# Allegro board AM335x_ICE_3H0013_PCB_REV_2_1A.brd (continued)
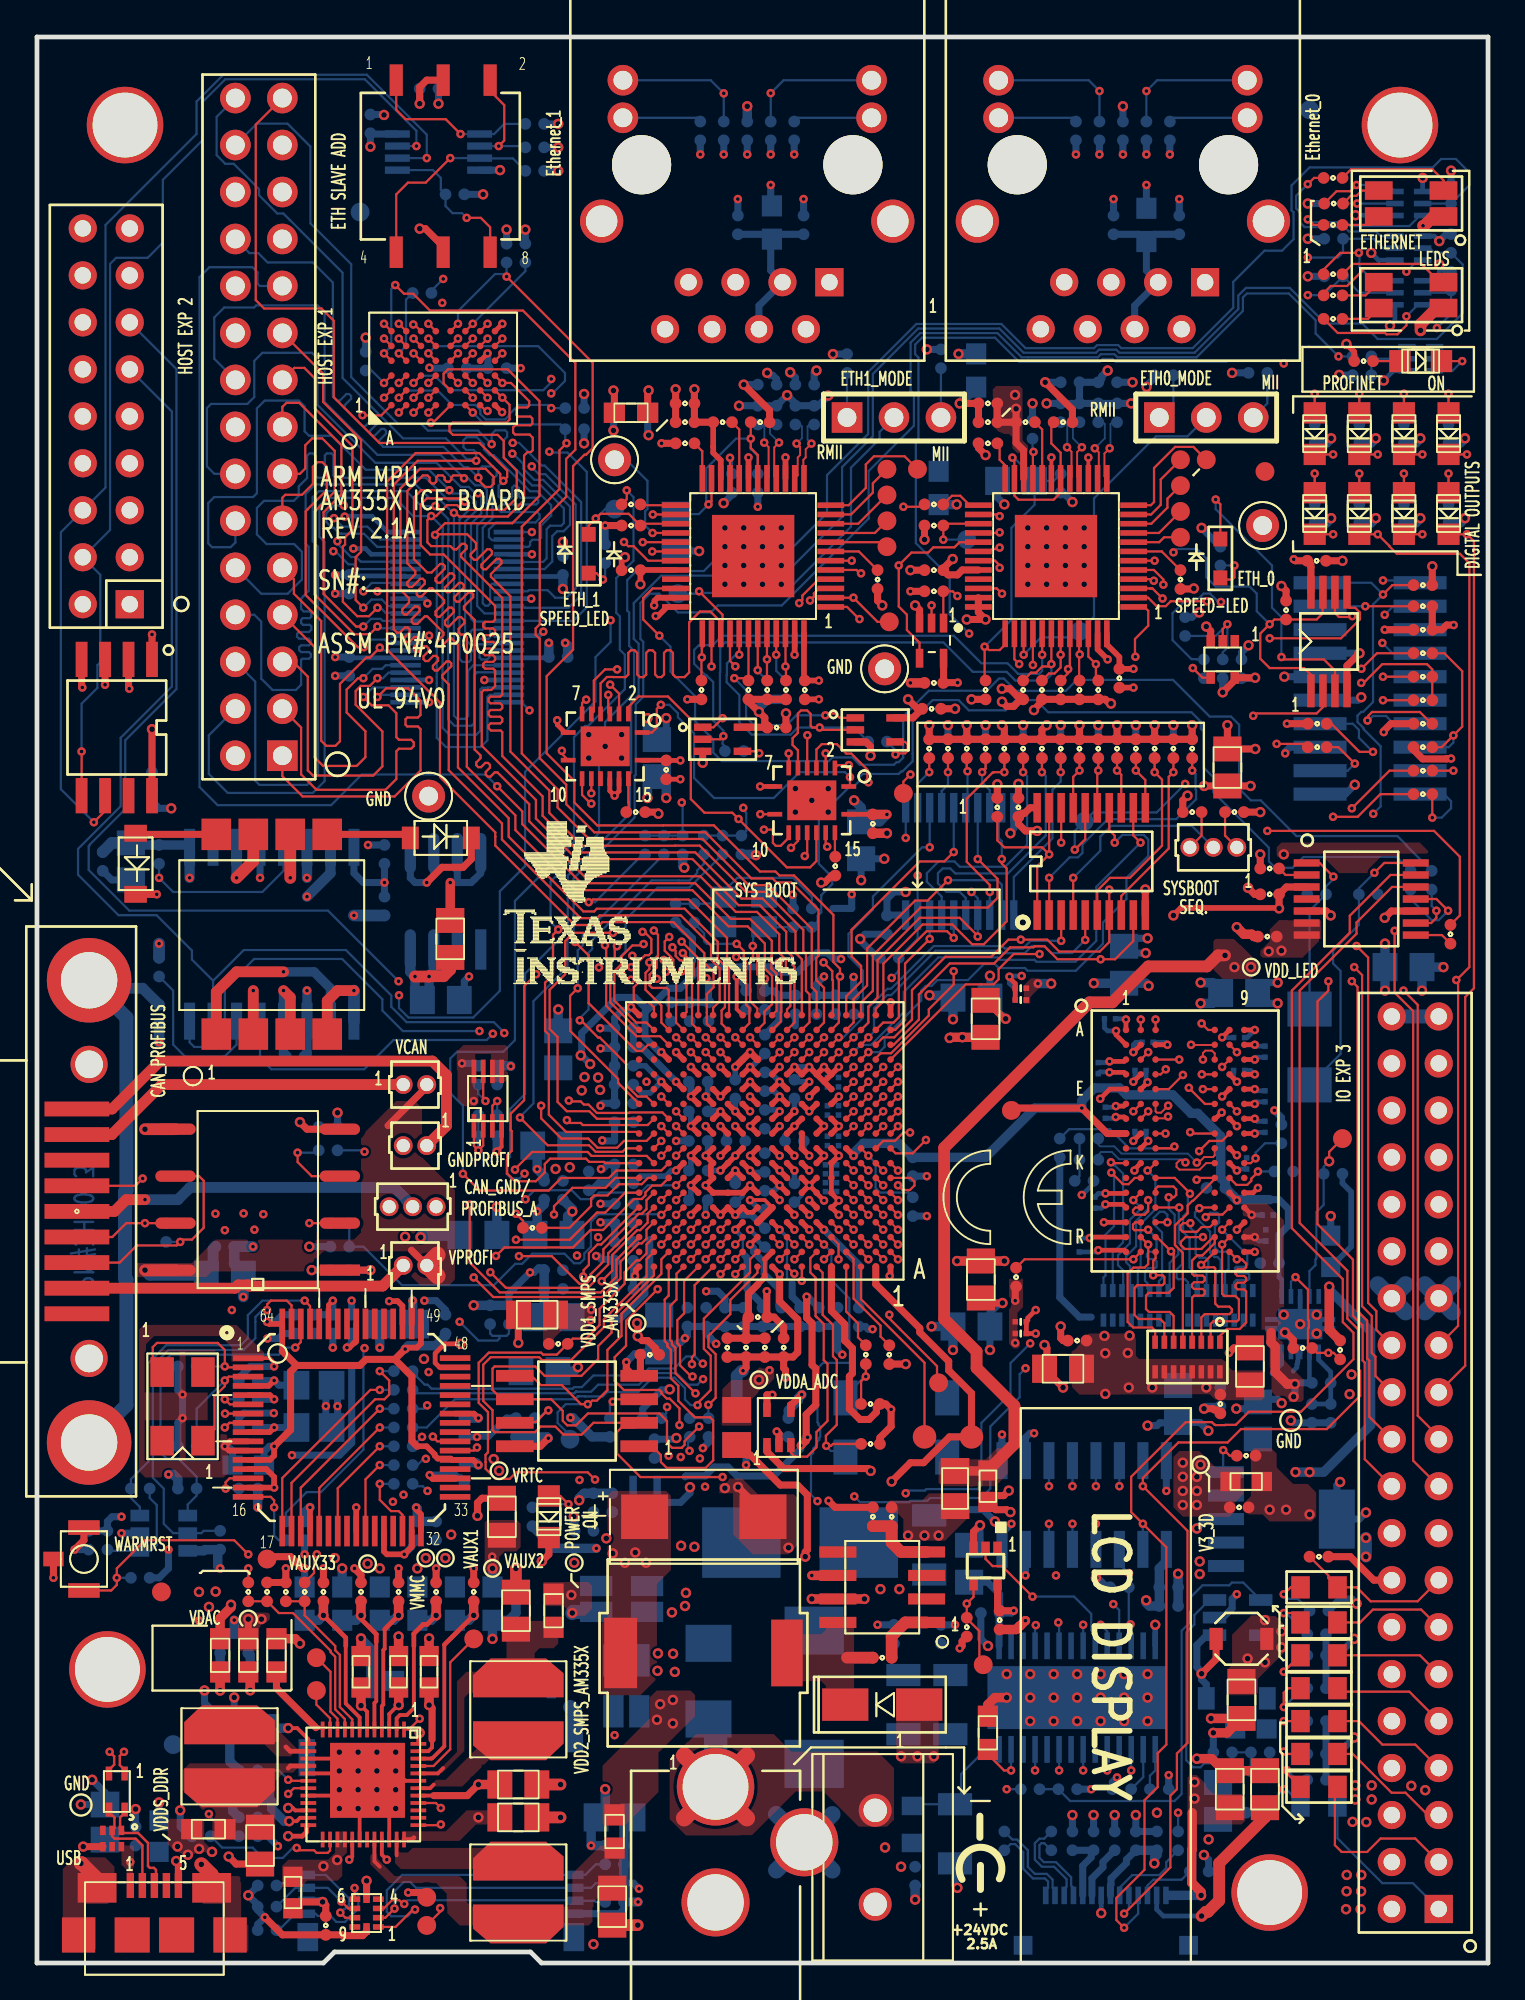
[diagram p0: board, top side]
## Routing (per net, layer and track width the routed paths; a pad name or vN(x,y) marks a point on that pad's centre or on a via; arc(x,y) is an arc through that point) (continued)
CAP_VBB_MPU: length 4.7
  TOP w0.254: v1(38.57,38.85) 38.58,38.86 U14.C10
  BOTTOM w0.381: C199.1 40.13,35.56 40.13,36.46 39.33,37.25 39.33,37.88 38.76,38.46 38.76,38.66 v1(38.57,38.85)
CAP_VDD_SRAM_CORE: length 5.2
  TOP w0.254: v1(40.17,39.65) U14.D9
  BOTTOM w0.127: 40.57,39.25 40.57,37.03 40.85,36.75
  BOTTOM w0.203: v1(40.17,39.65) 40.57,39.25
  BOTTOM w0.381: C198.1 41.27,35.6 40.85,36.03 40.85,36.75
CAP_VDD_SRAM_MPU: length 5.4
  TOP w0.254: v1(37.77,39.65) U14.D11
  BOTTOM w0.127: 38.18,39.14 38.18,38.36 38.28,38.26
  BOTTOM w0.254: 38.18,39.14 38.18,39.24 v1(37.77,39.65)
  BOTTOM w0.381: 38.28,38.26 38.4,38.13 38.4,36.45 39.24,35.61 C200.1
DDR_A0: length 32.1
  TOP w0.121: U14.F3 v1(44.97,41.25) ; U15.N3 v1(61.78,40.85)
  LYR3 w0.127: v1(44.97,41.25) 44.97,41.49 45.38,41.9 45.38,42.21 45.61,42.44 45.92,42.44 46.16,42.69 46.16,43.01 46.4,43.25 46.73,43.25 47.02,42.96 48.46,42.96 48.73,42.7 54.1,42.7 54.24,42.56 54.24,42.23 54.41,42.06 54.58,42.06 54.7,42.17 54.7,42.78 54.81,42.89 55.04,42.89 55.15,42.78 55.15,42.17 55.26,42.06 55.45,42.06 55.56,42.17 55.56,42.78 55.67,42.89 55.88,42.89 55.99,42.78 55.99,42.17 56.1,42.06 56.29,42.06 56.44,42.21 56.44,42.78 56.57,42.91 56.82,42.91 56.94,42.78 56.94,42.34 57.21,42.07 60.23,42.07 60.43,41.86 60.43,41.47 60.55,41.36 60.7,41.36 60.82,41.47 60.82,41.88 60.92,41.99 61.67,41.99 61.78,41.87 v1(61.78,40.85)
  BOTTOM w0.121: v1(61.78,40.85) 61.76,40.82 61.76,38.93 61.92,38.77 61.95,38.73 61.95,37.8 61.64,37.49 61.64,37.05 61.72,36.97 62.09,36.97 62.26,36.81 RP2.1
DDR_A1: length 32.1
  TOP w0.121: U14.H1 v1(46.57,42.85) ; v1(62.38,40.01) 61.99,40.01 61.85,39.87 61.85,39.65 61.97,39.54 62.74,39.54 63,39.79 63.45,39.79 U15.P7
  LYR3 w0.127: v1(46.57,42.85) 47.13,42.29 47.83,42.29 47.97,42.15 48.3,42.15 48.44,42.29 49.93,42.29 50.05,42.18 50.05,41.79 50.16,41.68 50.31,41.68 50.43,41.79 50.43,42.18 50.54,42.29 50.7,42.29 50.81,42.18 50.81,41.79 50.92,41.68 51.08,41.68 51.19,41.79 51.19,42.18 51.3,42.29 51.46,42.29 51.57,42.18 51.57,41.79 51.68,41.68 51.84,41.68 51.95,41.79 51.95,42.18 52.06,42.29 52.22,42.29 52.33,42.18 52.33,41.79 52.44,41.68 52.6,41.68 52.71,41.79 52.71,42.18 52.82,42.29 52.98,42.29 53.09,42.18 53.09,41.79 53.2,41.68 53.36,41.68 53.47,41.79 53.47,42.18 53.59,42.29 53.74,42.29 53.86,42.18 53.86,41.79 53.97,41.68 55.77,41.68 56.41,41.04 57.22,41.04 57.71,40.55 58.65,40.55 58.95,40.86 59.47,40.86 60.54,40.86 60.71,40.69 60.71,39.93 61.11,39.52 62.71,39.52 62.88,39.69 62.88,39.86 62.73,40.01 v1(62.38,40.01)
  BOTTOM w0.121: v1(62.38,40.01) 62.38,39.75 62.67,39.46 62.67,38.34 62.88,38.14 63.18,38.14 63.36,37.96 63.36,37.58 63.26,37.48 RP2.3
DDR_A2: length 32.5
  TOP w0.121: U15.P3 v1(61.14,40.05) ; U14.E4 v1(44.17,40.45)
  LYR3 w0.127: v1(44.17,40.45) 44.47,40.45 44.58,40.56 44.58,42.21 44.81,42.44 45.12,42.44 45.36,42.69 45.36,43 45.62,43.26 46.08,43.26 46.31,43.48 46.82,43.48 46.99,43.31 57.2,43.31 57.53,42.98 57.53,42.66 57.85,42.34 62.17,42.34 62.52,41.99 62.53,41.99 62.74,41.78 63.16,41.78 63.38,41.56 63.38,41.38 63.2,41.2 62.32,41.2 62.18,41.06 62.18,40.69 61.95,40.46 61.55,40.46 v1(61.14,40.05)
  BOTTOM w0.121: v1(61.14,40.05) 61.14,40.45 60.97,40.62 60.73,40.62 60.4,40.29 60.4,39.96 60.86,39.5 60.86,37.04 60.69,36.87 RP3.7
DDR_A3: length 30.5
  TOP w0.121: v1(44.97,38.85) U14.C3 ; U15.N2 59.42,40.85 59.28,40.72 59.28,40.58 59.4,40.46 59.92,40.46 60.1,40.65 v1(60.1,41.25)
  LYR4 w0.127: v1(60.1,41.25) 60.1,41.03 59.95,40.87 59.48,40.87 59.11,40.5 58.78,40.5 58.67,40.61 58.67,41.47 58.56,41.58 58.4,41.58 58.29,41.47 58.29,40.61 58.18,40.5 57.36,40.5 57.27,40.59 57.27,41.18 57.16,41.29 57.03,41.29 56.92,41.18 56.92,40.67 56.8,40.55 55.19,40.55 55.08,40.66 55.08,41.16 54.97,41.27 54.81,41.27 54.7,41.16 54.7,40.66 54.59,40.55 54.43,40.55 54.32,40.66 54.32,41.16 54.21,41.27 54.05,41.27 53.94,41.16 53.94,40.66 53.83,40.55 51.67,40.55 51,39.88 47.02,39.88 46.85,40.04 45.61,40.04 45.38,39.81 45.38,39.49 45.38,39.48 45.38,39.26 v1(44.97,38.85)
  BOTTOM w0.121: RP3.4 59.13,36.42 59.13,37.68 58.91,37.89 58.91,38.21 59.45,38.75 59.45,40.13 60.1,40.78 v1(60.1,41.25)
DDR_A4: length 33.7
  TOP w0.121: U14.C2 v1(45.77,38.85) ; U15.P8 v1(64.1,39.65)
  LYR3 w0.127: v1(64.1,39.65) 63.71,39.26 63.71,39.02 63.14,38.45 62.92,38.45 62.45,37.98 62.45,37.03 61.69,36.27 55.99,36.27 55.24,37.02 54.71,37.02 54.6,36.91 54.6,36.78 54.48,36.67 54.33,36.67 54.21,36.78 54.21,37.26 54.1,37.38 53.94,37.38 53.83,37.26 53.83,36.78 53.72,36.67 53.56,36.67 53.45,36.78 53.45,37.26 53.34,37.38 53.18,37.38 53.07,37.26 53.07,36.78 52.96,36.67 52.8,36.67 52.69,36.78 52.69,36.91 52.58,37.02 52.06,37.02 51.94,36.91 51.94,36.73 51.83,36.62 51.68,36.62 51.56,36.73 51.56,36.91 51.45,37.02 51.29,37.02 51.18,36.91 51.18,36.73 51.07,36.62 50.91,36.62 50.8,36.73 50.8,36.91 50.69,37.02 50.53,37.02 50.42,36.91 50.42,36.73 50.31,36.62 50.15,36.62 50.04,36.73 50.04,36.91 49.93,37.02 49.77,37.02 49.66,36.91 49.66,36.73 49.55,36.62 49.39,36.62 49.28,36.73 49.28,36.91 49.17,37.02 47.79,37.02 47.05,37.76 47.05,38.23 46.84,38.44 46.26,38.44 46.03,38.67 45.95,38.67 v1(45.77,38.85)
  BOTTOM w0.121: RP2.6 64.75,36.37 64.75,36.8 64.88,36.93 65.5,36.93 65.57,37 65.57,37.23 65.51,37.29 64.85,37.29 64.8,37.34 64.8,37.58 64.86,37.64 65.34,37.64 65.46,37.76 65.46,38.29 v1(64.1,39.65)
DDR_A5: length 30.6
  TOP w0.121: U14.B1 v1(46.57,38.05) ; v1(60.1,39.65) 60.08,39.62 59.36,39.62 59.28,39.7 59.28,39.93 59.4,40.05 U15.P2
  LYR4 w0.127: v1(46.57,38.05) 47.14,38.05 47.26,37.94 47.26,37.4 47.37,37.29 47.53,37.29 47.64,37.4 47.64,37.94 47.75,38.05 47.91,38.05 48.02,37.94 48.02,37.4 48.13,37.29 48.29,37.29 48.4,37.4 48.4,37.94 48.51,38.05 48.97,38.05 49.15,37.87 49.15,37.52 49.28,37.39 49.86,37.39 50.39,37.92 50.58,37.92 51.62,37.92 52.13,38.43 52.52,38.43 52.77,38.18 53.02,38.18 53.14,38.06 53.14,37.81 53.18,37.76 53.47,37.76 53.52,37.81 53.52,38.06 53.63,38.18 53.79,38.18 53.9,38.06 53.9,37.81 54.01,37.69 54.17,37.69 54.28,37.81 54.28,38.06 54.39,38.18 54.55,38.18 54.66,38.06 54.66,37.81 54.77,37.69 54.93,37.69 55.04,37.81 55.04,38.06 55.15,38.18 55.31,38.18 55.42,38.06 55.42,37.81 55.53,37.69 55.69,37.69 55.8,37.81 55.8,38.06 55.91,38.18 56.07,38.18 56.18,38.06 56.18,37.81 56.29,37.69 56.45,37.69 56.56,37.81 56.56,38.06 56.65,38.15 56.9,38.15 57.01,38.04 57.01,37.81 57.12,37.69 57.28,37.69 57.39,37.81 57.39,38.04 57.51,38.15 58.52,38.15 59.21,38.84 59.56,38.84 59.94,38.46 60.4,38.46 60.68,38.73 60.68,39.45 60.48,39.65 v1(60.1,39.65)
  BOTTOM w0.121: v1(60.1,39.65) 60.56,39.2 60.56,38.6 60.42,38.46 60.16,38.46 60.03,38.33 60.03,38.18 60.15,38.06 60.42,38.06 60.56,37.93 60.56,37.64 60.49,37.58 60.12,37.58 59.93,37.39 59.93,36.89 60.06,36.76 60.06,36.49 RP3.6
DDR_A6: length 34.3
  TOP w0.121: RP1.2 63.48,34.55 63.63,34.7 64.91,34.7 65.01,34.8 65.01,35.88 64.82,36.07 64.23,36.07 64.1,36.19 v1(64.1,38.85) U15.R8 ; v1(43.37,39.65) U14.D5
  LYR3 w0.127: v1(64.1,38.85) 64.1,37.15 62.46,35.51 54.92,35.51 54.69,35.74 53.43,35.74 52.91,35.22 46.96,35.22 43.37,38.8 v1(43.37,39.65)
DDR_A7: length 34.4
  TOP w0.121: U14.E2 v1(45.77,40.45) ; RP1.8 60.48,34.2 60.31,34.36 59.29,34.36 58.99,34.66 58.99,37.29 59.3,37.6 59.91,37.6 60.1,37.79 v1(60.1,38.85) U15.R2
  LYR3 w0.127: v1(45.77,40.45) 45.77,40.21 46.16,39.81 46.16,39.5 46.41,39.26 47.17,39.26 47.51,38.92 47.71,38.92 47.82,39.03 47.82,39.51 47.93,39.62 48.09,39.62 48.2,39.51 48.2,39.03 48.28,38.96 53.45,38.96 53.56,38.84 53.56,38.41 53.67,38.3 53.83,38.3 53.94,38.41 53.94,38.84 54.05,38.96 55,38.96 56.9,37.05 58.02,37.05 58.13,37.16 58.13,37.51 58.24,37.62 58.4,37.62 58.51,37.51 58.51,37.16 58.62,37.05 58.78,37.05 58.89,37.16 58.89,37.51 59,37.62 59.16,37.62 59.27,37.51 59.27,37.16 59.38,37.05 59.72,37.05 59.81,37.14 59.81,38.33 59.92,38.44 60.08,38.44 60.2,38.32 60.2,37.71 60.3,37.6 60.55,37.6 61,37.15 61.01,37.16 61.31,37.16 61.46,37.31 61.46,37.5 61.47,37.5 61.47,37.8 60.95,38.32 60.95,38.47 60.57,38.85 v1(60.1,38.85)
DDR_A8: length 33.2
  TOP w0.121: RP1.1 63.98,33.9 64.36,34.28 65.06,34.28 65.4,34.63 65.4,36.32 65.3,36.42 64.94,36.42 64.83,36.53 64.83,36.68 64.94,36.79 65.3,36.79 65.4,36.89 65.4,37.04 65.3,37.15 64.94,37.15 64.83,37.25 64.83,37.4 64.94,37.51 65.3,37.51 65.4,37.62 65.4,37.81 65.17,38.05 v1(64.9,38.05) U15.T8 ; v1(44.17,39.65) U14.D4
  LYR4 w0.127: v1(64.9,38.05) 64.2,37.35 60.77,37.35 60.54,37.58 60.09,37.58 59.07,36.55 53.31,36.55 53.24,36.61 51.95,36.61 51.55,36.22 45.92,36.22 44.14,38 44.14,38.32 43.78,38.69 43.78,39.02 44.17,39.42 v1(44.17,39.65)
DDR_A9: length 34.4
  TOP w0.121: U14.C1 v1(46.57,38.85) ; U15.R3 60.57,39.25 v1(61.34,38.48) 61.48,38.34 61.48,36.5 61.21,36.23 60.13,36.23 59.99,36.09 59.99,35.36 60.15,35.2 61.27,35.2 61.48,34.99 RP1.6
  LYR3 w0.127: v1(61.34,38.48) 61.84,37.98 61.84,37.15 61.37,36.67 56.47,36.67 55.38,37.76 53.31,37.76 53.07,37.99 53.07,38.25 52.9,38.43 51.79,38.43 51.67,38.32 51.67,37.52 51.57,37.41 51.41,37.41 51.29,37.53 51.29,38.32 51.18,38.43 51.02,38.43 50.91,38.32 50.91,37.52 50.81,37.41 50.65,37.41 50.53,37.53 50.53,38.32 50.42,38.43 49.01,38.43 48.9,38.32 48.9,37.51 48.79,37.4 48.63,37.4 48.52,37.51 48.52,38.32 48.41,38.43 48.25,38.43 48.14,38.32 48.14,37.51 48.03,37.4 47.87,37.4 47.76,37.51 47.76,38.32 47.64,38.43 47.41,38.43 46.99,38.85 v1(46.57,38.85)
DDR_A10: length 37.8
  TOP w0.121: v1(62.72,42.35) 62.82,42.45 U15.L7 63.7,42.39 62.52,41.21 62.49,41.21 62.24,40.96 62.24,40.53 61.94,40.23 61.9,40.23 61.56,39.89 61.56,38.82 61.65,38.72 61.65,38.72 61.98,38.39 RP1.5 ; U14.F4 v1(44.17,41.25)
  LYR3 w0.127: v1(44.17,41.25) 44.17,41.49 43.78,41.89 43.78,42.21 44.01,42.44 44.32,42.44 44.58,42.7 44.58,43.99 44.72,44.14 45.11,44.14 45.54,43.71 58.23,43.71 58.7,43.24 60.59,43.24 60.98,42.86 64.24,42.86 64.41,42.69 64.41,42.25 64.28,42.12 62.95,42.12 v1(62.72,42.35)
DDR_A11: length 35.7
  TOP w0.121: v1(63.06,39.25) 62.13,39.25 61.87,39 61.87,38.81 62.08,38.61 62.98,38.61 63.62,39.25 U15.R7 63.7,38.93 63.03,38.26 62.75,38.26 62.48,37.98 62.48,37.28 62.59,37.17 63.06,37.17 63.16,37.06 63.16,36.91 63.06,36.81 62.59,36.81 62.48,36.7 62.48,36.55 62.59,36.45 63.06,36.45 63.16,36.34 63.16,36.19 63.06,36.08 62.59,36.08 62.48,35.98 RP1.4 ; U14.F2 v1(45.77,41.25)
  LYR3 w0.127: v1(63.06,39.25) 61.06,39.25 60.4,39.91 60.4,40.36 60.29,40.47 59.6,40.47 59.49,40.36 59.49,39.68 59.38,39.57 57.49,39.57 57.15,39.91 57.15,40.24 56.78,40.6 55.97,40.6 55.27,41.3 49.61,41.3 49.5,41.41 49.5,41.75 49.39,41.86 49.23,41.86 49.12,41.75 49.12,41.35 49.01,41.24 48.85,41.24 48.74,41.35 48.74,41.75 48.62,41.86 48.47,41.86 48.35,41.75 48.35,41.35 48.24,41.24 48.09,41.24 47.97,41.35 47.97,41.75 47.86,41.86 47.7,41.86 47.59,41.75 47.59,41.41 47.48,41.3 47.3,41.3 46.95,41.66 46.15,41.66 45.77,41.27 v1(45.77,41.25)
DDR_A12: length 31.1
  TOP w0.121: U15.N7 62.91,40.85 v1(62.87,40.81) ; v1(44.97,40.45) U14.E3
  LYR4 w0.127: v1(44.97,40.45) 44.97,39.41 44.58,39.01 44.58,37.89 45.84,36.63 51.42,36.63 51.79,37 53.4,37 53.47,36.93 58.82,36.93 59.7,37.81 61.63,37.81 62.66,38.84 62.66,39.41 62.78,39.52 62.78,40.72 v1(62.87,40.81)
  BOTTOM w0.121: v1(62.87,40.81) 62.63,40.57 62.63,40.36 63.45,39.54 63.45,38.41 63.69,38.17 63.85,38.17 64.02,38.01 64.02,37.51 63.76,37.24 RP2.4
DDR_A13: length 32.7
  TOP w0.121: RP1.7 60.98,34.6 60.76,34.82 59.58,34.82 59.37,35.04 59.37,36.51 59.51,36.65 60.87,36.65 60.98,36.76 60.98,37.09 60.89,37.19 v1(60.38,37.19) 60.38,37.97 60.5,38.1 U15.T3 ; U14.H3 v1(44.97,42.85)
  LYR4 w0.127: v1(60.38,37.19) 59.36,36.17 53.15,36.17 53.09,36.23 52.1,36.23 51.68,35.81 45.97,35.81 43.75,38.03 43.75,38.21 43.55,38.42 43.55,39.27 43.76,39.49 43.76,41.4 44.01,41.64 44.32,41.64 44.57,41.89 44.57,42.45 v1(44.97,42.85)
DDR_A14: length 34.9
  TOP w0.121: U14.H4 v1(44.17,42.85) ; U15.T7 63,37.74 v1(62.97,37.74) 63.09,37.62 63.67,37.62 63.73,37.56 63.73,35.65 63.89,35.49 64.5,35.49 64.63,35.36 64.63,35.21 64.5,35.09 63.16,35.09 62.98,34.9 RP1.3
  LYR3 w0.127: v1(44.17,42.85) 44.09,42.85 43.55,42.31 43.55,41.72 43.78,41.49 43.78,40.29 44.01,40.06 44.71,40.06 45.36,39.41 45.36,37.9 45.72,37.54 46.37,37.54 47.52,36.39 49.12,36.39 49.46,36.05 51.64,36.05 51.83,36.24 55.09,36.24 55.45,35.89 62.02,35.89 62.97,36.83 v1(62.97,37.74)
DDR_BA0: length 30.6
  TOP w0.121: U15.M2 v1(59.3,41.25) ; U14.C4 v1(44.17,38.85)
  LYR4 w0.127: v1(59.3,41.25) 59.3,41.52 59.44,41.66 59.92,41.66 60.05,41.78 60.05,42.06 59.77,42.34 59.21,42.34 58.93,42.06 56.18,42.06 56.06,41.94 56.06,41.12 55.88,40.94 55.69,40.94 55.55,41.08 55.55,41.55 55.4,41.71 53.72,41.71 53.56,41.54 53.56,41.09 53.42,40.94 51.38,40.94 50.8,40.36 48.75,40.36 48.23,40.87 47.88,40.87 47.73,40.72 47.73,40.49 47.55,40.31 47.29,40.31 47.14,40.46 47.14,40.69 46.99,40.84 45.61,40.84 45.52,40.84 45.36,41 45.36,41.5 45.22,41.64 44.81,41.64 44.56,41.4 44.56,39.49 44.28,39.2 44.28,38.96 v1(44.17,38.85)
  BOTTOM w0.121: RP3.3 58.75,36.42 58.75,37.45 58.47,37.73 58.47,38.27 59.12,38.91 59.12,40.19 59.63,40.71 59.63,40.92 v1(59.3,41.25)
DDR_BA1: length 33.6
  TOP w0.121: U15.N8 64.12,40.47 63.36,40.47 v1(63.22,40.33) ; U14.E1 v1(46.57,40.45)
  LYR3 w0.127: v1(63.22,40.33) 63.74,40.86 64.1,40.86 64.29,41.06 64.29,41.47 64.61,41.78 65.11,41.78 65.31,41.58 65.31,40.34 65.11,40.14 63.9,40.14 63.46,39.69 63.46,39.09 63.23,38.86 62.9,38.86 62.88,38.87 61.02,38.87 60.65,39.24 58.8,39.24 57.71,38.15 57.24,38.15 55.08,40.31 55.08,40.35 54.65,40.78 46.9,40.78 v1(46.57,40.45)
  BOTTOM w0.121: RP2.5 64.26,37.33 64.45,37.52 64.45,38.35 64.34,38.46 63.94,38.46 63.71,38.69 63.71,39.81 63.94,40.04 63.94,40.46 63.83,40.57 63.45,40.57 v1(63.22,40.33)
DDR_BA2: length 30.6
  TOP w0.121: U15.M3 60.5,41.86 60.63,41.99 61.47,41.99 61.62,41.83 61.62,41.53 61.49,41.4 v1(61.21,41.4) ; v1(44.97,38.05) U14.B3
  LYR4 w0.127: v1(61.21,41.4) 61.21,40.77 61.67,40.31 61.67,39.07 61.48,38.88 61.2,38.88 61.04,39.04 61.04,39.6 60.59,40.04 59.94,40.04 59.71,39.81 59.71,39.6 59.51,39.4 58.93,39.4 58.75,39.22 58.75,38.83 58.42,38.51 58.04,38.51 57.94,38.61 57.94,38.81 57.81,38.94 57.24,38.94 56.9,38.6 55.36,38.6 55.07,38.89 54.81,38.89 54.48,38.56 53.11,38.56 52.73,38.93 51.92,38.93 51.44,38.46 45.38,38.46 v1(44.97,38.05)
  BOTTOM w0.121: v1(61.21,41.4) 61.21,40.78 61.53,40.46 61.53,38.84 61.73,38.64 61.73,38.32 61.27,37.85 61.27,36.44 RP3.8
DDR_CASN: length 32
  TOP w0.121: U15.K3 60.12,42.87 60.07,42.87 v1(60.07,42.85) ; U14.F1 v1(46.57,41.25)
  LYR4 w0.127: v1(46.57,41.25) 46.65,41.17 48.48,41.17 48.81,40.84 48.96,40.84 49.08,40.95 49.08,41.54 49.19,41.66 49.35,41.66 49.46,41.54 49.46,40.83 49.55,40.74 49.75,40.74 49.84,40.83 49.84,41.55 49.95,41.67 50.11,41.67 50.22,41.55 50.22,40.84 50.32,40.74 50.5,40.74 50.6,40.84 50.6,41.21 50.74,41.35 50.74,41.36 50.83,41.45 50.83,41.88 50.94,42 51.1,42 51.21,41.88 51.21,41.41 51.3,41.33 51.5,41.33 51.59,41.41 51.59,41.88 51.7,42 51.86,42 51.97,41.88 51.97,41.45 52.07,41.35 53.05,41.35 53.18,41.48 53.18,41.87 53.4,42.09 53.98,42.09 54.11,42.22 54.11,42.5 54.23,42.61 54.38,42.61 54.5,42.5 54.5,42.2 54.59,42.1 54.75,42.1 54.88,42.22 54.88,42.5 54.98,42.61 55.23,42.61 55.34,42.5 55.34,42.19 55.44,42.09 55.68,42.09 55.83,42.24 55.83,42.49 55.93,42.59 57.03,42.59 57.28,42.34 58.65,42.34 58.97,42.66 58.97,43.45 59.24,43.72 59.89,43.72 60.05,43.57 60.05,42.88 v1(60.07,42.85)
  BOTTOM w0.121: RP3.5 59.54,36.5 59.54,37.48 59.69,37.63 59.69,39.96 60.49,40.76 60.49,42.43 v1(60.07,42.85)
DDR_CKE: length 27.3
  TOP w0.121: U14.G3 v1(44.97,42.05) ; v1(65.91,43.51) 65.65,43.25 U15.K9
  LYR4 w0.127: v1(65.91,43.51) 65.3,44.13 65.3,44.61 65.07,44.84 63.1,44.84 62.61,44.35 62.4,44.35 61.77,43.72 61.2,43.72 60.86,44.06 59.14,44.06 58.45,44.74 57.6,44.74 57.4,44.54 53.89,44.54 53.09,43.74 50.07,43.74 49.57,43.24 45.61,43.24 45.37,43.01 45.37,42.45 v1(44.97,42.05)
  BOTTOM w0.121: v1(65.91,43.51) 65.91,43.81 66.42,44.32 R178.2
DDR_CLK: length 31.4
  TOP w0.102: U15.J7 63.7,43.67 63.61,43.58 63.14,43.58 62.84,43.28 v1(62.73,43.28) ; U14.D2 v1(45.77,39.65)
  LYR4 w0.102: v1(45.77,39.65) 46.19,39.23 47.39,39.23 47.63,38.99 51.24,38.99 52,39.75 53.01,39.75 53.14,39.62 53.14,39.32 53.39,39.07 54.25,39.07 54.53,39.35 54.53,39.68 54.61,39.75 55.25,39.75 55.32,39.68 55.32,39.37 55.58,39.11 56.26,39.11 56.81,39.66 57.13,39.66 57.43,39.36 58.03,39.36 58.42,39.75 59.18,39.75 59.69,40.26 60.43,40.26 60.79,40.62 60.79,42.96 60.95,43.12 61.16,43.12 61.31,42.97 61.31,42.65 61.62,42.34 62.13,42.34 62.41,42.62 62.41,42.95 62.73,43.28 v1(62.73,43.28)
  BOTTOM w0.102: v1(62.73,43.28) 62.25,43.76 58.66,43.76 58.27,44.16 57.51,44.16 57.4,44.26 R179.1
DDR_CLKN: length 30.7
  TOP w0.102: U15.K7 63.24,43.25 62.89,42.9 61.79,42.9 61.64,43.05 61.64,43.24 61.81,43.41 62,43.41 v1(62.12,43.29) ; U14.D1 v1(46.57,39.65)
  LYR4 w0.102: v1(62.12,43.29) 62.1,43.27 62.1,42.75 62,42.65 61.74,42.65 61.61,42.78 61.61,43.1 61.28,43.42 60.82,43.42 60.48,43.08 60.48,40.75 60.3,40.56 59.56,40.56 59.06,40.06 58.29,40.06 57.91,39.67 57.55,39.67 57.26,39.97 56.68,39.97 56.14,39.42 55.7,39.42 55.63,39.5 55.63,39.8 55.37,40.06 54.48,40.06 54.23,39.8 54.23,39.47 54.13,39.37 53.52,39.37 53.44,39.45 53.44,39.75 53.14,40.06 51.88,40.06 51.12,39.29 47.75,39.29 47.51,39.54 46.68,39.54 v1(46.57,39.65)
  BOTTOM w0.102: v1(62.12,43.29) 61.95,43.46 58.53,43.46 58.14,43.85 57.56,43.85 57.4,43.7 R182.1
DDR_CSN: length 31.7
  TOP w0.121: U14.H2 v1(45.77,42.85) ; U15.L2 59.38,42.45 59.04,42.11 58.73,42.11 v1(58.11,42.74)
  LYR4 w0.127: v1(45.77,42.85) 45.8,42.85 46.2,42.44 47.45,42.44 47.6,42.6 47.6,42.81 47.8,43.01 48.44,43.01 48.53,42.93 48.53,42.49 48.6,42.42 48.87,42.42 48.99,42.54 48.99,42.84 49.11,42.95 49.26,42.95 49.37,42.84 49.37,42.54 49.44,42.47 49.83,42.47 49.92,42.56 49.92,43.03 50.05,43.16 50.2,43.16 50.32,43.03 50.32,42.94 50.47,42.79 50.63,42.79 50.79,42.95 50.79,43.27 50.87,43.36 51.09,43.36 51.17,43.28 51.17,42.83 51.23,42.77 51.46,42.77 51.56,42.87 51.56,43.28 51.64,43.36 51.86,43.36 51.92,43.29 51.92,42.88 52.03,42.77 52.32,42.77 52.38,42.84 52.38,43.2 52.52,43.34 53.23,43.34 54.04,44.15 56.95,44.15 57.08,44.01 57.08,43.66 57.2,43.54 57.76,43.54 57.96,43.75 57.96,43.89 57.89,43.97 57.56,43.97 57.45,44.08 57.45,44.25 57.59,44.39 58.42,44.39 58.7,44.12 58.7,43.98 58.45,43.73 58.45,43.51 58.7,43.26 58.7,42.88 58.56,42.74 v1(58.11,42.74)
  BOTTOM w0.121: v1(58.11,42.74) 58.26,42.59 58.26,39.84 57.79,39.38 57.79,37.17 57.69,37.07 RP3.1
DDR_D0: length 25
  TOP w0.121: v1(44.97,46.85) U14.M3 ; v1(62.38,44.92) 62.45,44.85 U15.H7
  LYR3 w0.127: v1(44.97,46.85) 44.97,46.61 45.36,46.21 45.36,45.9 45.61,45.66 47.06,45.66 47.45,45.27 48.48,45.27 48.61,45.14 58.06,45.14 58.35,44.84 60.27,44.84 60.65,44.46 61.2,44.46 61.32,44.58 62.07,44.58 62.21,44.43 62.51,44.43 62.66,44.58 63.21,44.58 63.72,45.08 63.72,45.51 63.49,45.73 62.54,45.73 62.35,45.54 62.35,44.95 v1(62.38,44.92)
DDR_D1: length 25.2
  TOP w0.121: U15.F8 v1(64.9,46.05) ; v1(44.17,46.85) U14.M4
  LYR3 w0.127: v1(44.17,46.85) 44.57,46.45 44.57,45.89 44.81,45.66 45.12,45.66 45.36,45.41 45.36,45.1 45.61,44.86 46.68,44.86 47.03,44.51 47.39,44.51 47.92,45.04 48.38,45.04 48.52,44.91 48.67,44.76 57.58,44.76 57.78,44.55 58.64,44.55 59.14,44.06 61.05,44.06 61.36,43.75 61.7,43.75 62.01,44.06 62.46,44.06 62.7,44.29 63.34,44.29 64.49,45.44 64.49,45.64 v1(64.9,46.05)
DDR_D2: length 24.9
  TOP w0.121: U15.G2 v1(60.1,46.05) ; U14.N1 v1(46.57,47.65)
  LYR3 w0.127: v1(46.57,47.65) 47.39,47.65 47.51,47.78 47.51,48.16 47.74,48.39 47.97,48.39 48.08,48.28 48.08,47.47 48.19,47.36 48.35,47.36 48.46,47.47 48.46,48.28 48.57,48.39 48.73,48.39 48.84,48.28 48.84,47.47 48.95,47.36 49.11,47.36 49.22,47.47 49.22,48.28 49.33,48.39 49.58,48.39 49.71,48.27 49.71,47.37 49.82,47.26 50.02,47.26 50.12,47.36 50.12,47.77 50.23,47.88 50.64,47.88 50.75,47.77 50.75,47.37 50.86,47.26 51.02,47.26 51.13,47.37 51.13,47.77 51.24,47.88 51.4,47.88 51.51,47.77 51.51,47.37 51.62,47.26 51.78,47.26 51.89,47.37 51.89,47.77 52,47.88 52.16,47.88 52.27,47.77 52.27,47.37 52.38,47.26 52.54,47.26 52.65,47.37 52.65,47.77 52.76,47.88 52.92,47.88 53.03,47.77 53.03,47.37 53.14,47.26 53.3,47.26 53.41,47.37 53.41,47.77 53.53,47.88 57.73,47.88 57.85,47.77 58.16,47.77 59.16,46.77 59.39,46.77 v1(60.1,46.05)
DDR_D3: length 24.8
  TOP w0.121: U15.F2 v1(59.3,46.05) ; U14.N2 v1(45.77,47.65)
  LYR3 w0.127: v1(45.77,47.65) 45.85,47.65 46.25,47.26 46.9,47.26 47.43,46.73 48.78,46.73 48.89,46.62 48.89,46.16 49,46.05 49.16,46.05 49.27,46.16 49.27,46.62 49.38,46.73 49.54,46.73 49.65,46.62 49.65,46.16 49.76,46.05 49.92,46.05 50.03,46.16 50.03,46.62 50.15,46.73 53.66,46.73 53.89,46.95 53.89,47.37 54,47.48 54.16,47.48 54.27,47.37 54.27,46.95 54.38,46.84 54.54,46.84 54.65,46.95 54.65,47.37 54.76,47.48 54.92,47.48 55.03,47.37 55.03,46.95 55.14,46.84 55.3,46.84 55.41,46.95 55.41,47.37 55.52,47.48 55.68,47.48 55.79,47.37 55.79,46.82 55.9,46.71 56.01,46.71 56.06,46.71 56.17,46.82 56.17,47.37 56.28,47.48 56.44,47.48 56.55,47.37 56.55,46.74 56.67,46.63 56.94,46.63 57.01,46.7 57.01,47.19 57.16,47.33 58.1,47.33 58.8,46.63 58.8,45.62 59.04,45.38 59.42,45.38 59.6,45.56 59.6,45.76 v1(59.3,46.05)
DDR_D4: length 24.9
  TOP w0.121: U15.H3 v1(61.04,44.85) ; U14.N3 v1(44.97,47.65)
  LYR3 w0.127: v1(44.97,47.65) 44.97,47.98 44.89,48.06 44.65,48.06 44.56,47.97 44.56,47.45 44.56,47.45 44.77,47.24 45.13,47.24 45.36,47.01 45.36,46.7 45.61,46.46 46.93,46.46 47.47,45.91 48.23,45.91 48.62,45.52 50.72,45.52 50.83,45.63 50.83,45.99 50.95,46.1 51.1,46.1 51.22,45.99 51.22,45.63 51.33,45.52 51.48,45.52 51.6,45.63 51.6,45.99 51.71,46.1 51.87,46.1 51.98,45.99 51.98,45.63 52.09,45.52 52.25,45.52 52.36,45.63 52.36,45.99 52.47,46.1 52.63,46.1 52.74,45.99 52.74,45.63 52.85,45.52 53.01,45.52 53.12,45.63 53.12,45.99 53.23,46.1 53.39,46.1 53.5,45.99 53.5,45.63 53.61,45.52 53.77,45.52 53.88,45.63 53.88,45.99 53.99,46.1 54.15,46.1 54.26,45.99 54.26,45.63 54.37,45.52 58.02,45.52 58.46,45.07 59.8,45.07 60.07,45.34 60.55,45.34 v1(61.04,44.85)
DDR_D5: length 25
  TOP w0.121: v1(62.86,43.9) 63.41,44.45 64.1,44.45 U15.H8 ; U14.N4 v1(44.17,47.65)
  LYR3 w0.127: v1(44.17,47.65) 43.78,47.26 43.78,45.89 44.01,45.66 44.32,45.66 44.56,45.41 44.56,45.09 45.54,44.11 48.25,44.11 48.35,44.22 58.33,44.22 58.34,44.2 58.39,44.2 58.8,43.8 60.99,43.8 61.26,43.52 61.8,43.52 62.07,43.8 62.76,43.8 v1(62.86,43.9)
DDR_D6: length 24.9
  TOP w0.121: U15.E3 61.22,47.25 v1(61.98,48.02) ; U14.P3 v1(44.97,48.45)
  LYR3 w0.127: v1(61.98,48.02) 61.98,48.29 61.82,48.46 61.62,48.46 59.47,50.61 58.71,50.61 58.53,50.79 57.19,50.79 56.97,50.57 51.56,50.57 51.43,50.44 51.43,49.7 51.33,49.6 51.16,49.6 51.05,49.71 51.05,50.44 50.94,50.55 48.88,50.55 48.76,50.66 48.76,50.93 48.65,51.04 48.49,51.04 48.38,50.93 48.38,50.66 48.27,50.55 48.14,50.55 48.03,50.45 48.03,50.09 47.92,49.97 47.76,49.97 47.65,50.09 47.65,50.44 47.54,50.55 47.31,50.55 45.2,48.45 v1(44.97,48.45)
DDR_D7: length 24.8
  TOP w0.121: U15.F7 63.17,46.45 v1(62.3,47.32) ; U14.P4 v1(44.17,48.45)
  LYR3 w0.127: v1(62.3,47.32) 62.38,47.4 62.38,48.98 61.31,50.04 60.92,50.04 60.11,50.85 60.11,51.26 59.85,51.52 47.8,51.52 45.13,48.86 44.58,48.86 v1(44.17,48.45)
DDR_D8: length 24.9
  TOP w0.121: U15.C3 v1(61.78,48.85) ; U14.J1 46.44,43.78 47.36,43.78 48.08,44.5 v1(48.08,44.5)
  LYR4 w0.127: v1(48.08,44.5) 48.25,44.5 49.31,45.56 51.65,45.56 52.29,46.2 54.85,46.2 55.43,46.77 57,46.77 57.49,47.27 58.16,47.27 58.35,47.08 60.51,47.08 60.66,47.22 60.66,47.63 60.78,47.76 61.22,47.76 61.33,47.64 61.33,47.24 61.46,47.12 61.95,47.12 62.14,46.93 62.14,46.79 62.35,46.57 63.07,46.57 63.26,46.77 63.26,46.89 63.46,47.09 63.46,47.46 63.26,47.66 62.73,47.66 62.5,47.89 62.5,48.7 62.35,48.85 v1(61.78,48.85)
DDR_D9: length 24.8
  TOP w0.121: U15.C2 v1(60.1,49.25) ; U14.K1 v1(46.57,45.25)
  LYR4 w0.127: v1(46.57,45.25) 46.62,45.3 47.88,45.3 49.16,46.58 49.16,47.59 49.31,47.74 49.43,47.74 49.67,47.74 49.78,47.63 49.78,46.69 49.89,46.58 50.15,46.58 50.26,46.69 50.26,47.63 50.37,47.74 50.61,47.74 50.72,47.63 50.72,46.69 50.82,46.59 51.07,46.59 51.19,46.71 51.19,47.58 51.64,48.03 57.58,48.03 57.85,47.77 58.17,47.77 58.46,48.05 58.46,49.18 58.57,49.3 58.79,49.3 58.91,49.18 58.91,48.72 59.08,48.55 59.33,48.55 59.56,48.79 60,48.79 60.23,48.55 60.69,48.55 60.95,48.82 60.95,49.11 60.81,49.25 v1(60.1,49.25)
DDR_D10: length 25
  TOP w0.121: U15.D7 v1(63,48.05) ; U14.K2 v1(45.77,45.25)
  LYR4 w0.127: v1(45.77,45.25) 45.77,44.97 46.65,44.1 48.51,44.1 49.15,44.73 49.15,44.75 49.46,45.06 52,45.06 52.76,45.82 55.25,45.82 55.44,46.01 55.44,46.23 55.6,46.39 55.87,46.39 56.1,46.16 56.1,45.97 56.26,45.81 56.77,45.81 56.93,45.97 56.93,46.19 57.02,46.28 57.62,46.28 58.09,46.75 61.61,46.75 61.86,46.5 61.86,46.15 62.07,45.94 63.37,45.94 63.65,46.22 63.65,46.95 63.8,47.11 63.8,47.84 63.6,48.05 v1(63,48.05)
DDR_D11: length 25.2
  TOP w0.121: v1(44.97,45.25) U14.K3 ; U15.C8 v1(64.1,48.45)
  LYR4 w0.127: v1(64.1,48.45) 64.5,48.06 64.5,45.77 64.1,45.37 61.02,45.37 60.73,45.66 59,45.66 58.7,45.35 58.19,45.35 58.11,45.43 52.91,45.43 52.15,44.68 49.62,44.68 48.8,43.86 46.36,43.86 v1(44.97,45.25)
DDR_D12: length 25.2
  TOP w0.121: U14.K4 v1(44.17,45.25) ; U15.A3 v1(60.5,51.02)
  LYR4 w0.127: v1(44.17,45.25) 44.57,45.65 44.57,47.81 44.81,48.04 46.94,48.04 47.22,48.33 47.22,49.03 48.72,50.52 49.76,50.52 50.18,50.95 50.18,51.39 50.59,51.79 61.47,51.79 61.8,51.46 61.8,51.11 61.7,51.02 v1(60.5,51.02)
